# KiCad board PC110.kicad_pcb (continued)
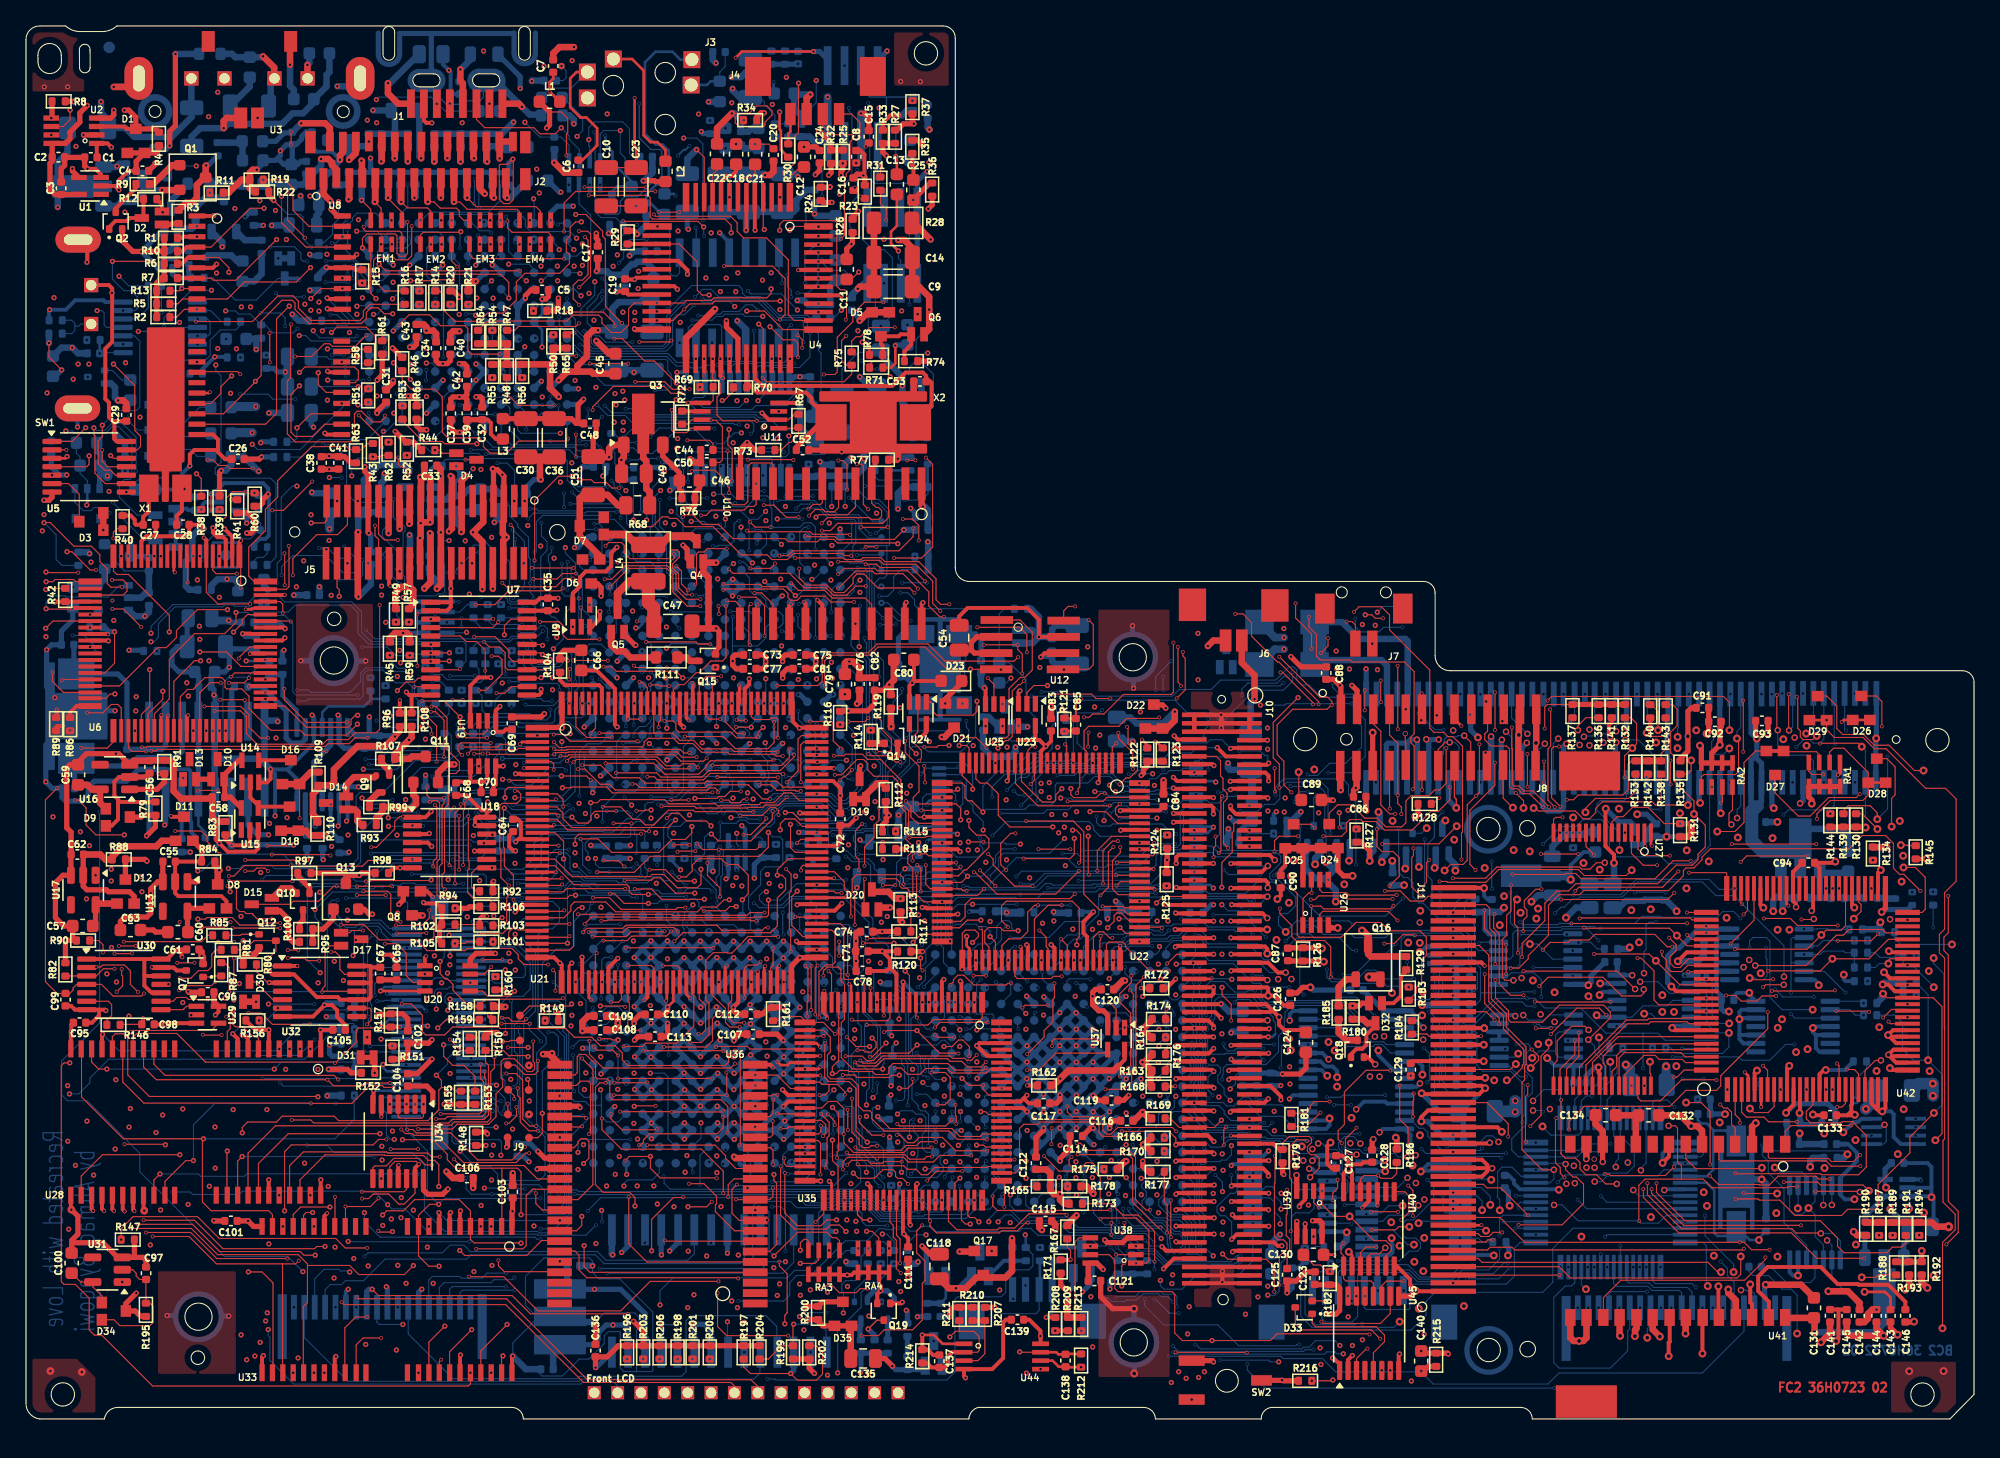
[diagram p0: board, top side]
## Placement (name value [footprint] x y rotation side) (continued)
D46  N  [SOT-416L]  10.47 78.11 270 bottom
D47  24  [D_0603_1608Metric]  4.67 75.23 0 bottom
D48  A2  [D_0603_1608Metric]  15.02 74.18 180 bottom
D49  N  [SOT-416L]  10.47 76.16 270 bottom
D50  26  [D_0603_1608Metric]  15.02 75.95 180 bottom
D51  C6  [D_0603_1608Metric]  15.02 77.97 180 bottom
D52  K  [SOT-416]  109.09 44.49 90 bottom
D53  K  [SOT-416]  106.8 44.48 90 bottom
D54  K  [SOT-416]  104.28 45.06 90 bottom
D55  s.3 5F  [Diode]  97.11 58.09 0 bottom
D56  K  [SOT-416]  101.47 45.06 90 bottom
D57  K  [SOT-416]  99.19 45.06 90 bottom
D58  K  [SOT-416L]  75.34 54.11 180 bottom
D59  3D  [SOT-416L]  92.4 58.69 180 bottom
D60  3D  [SOT-23#2]  33.42 47.57 0 bottom
EM1  -  [R-array]  27.73 91.37 0 top
EM2  -  [R-array]  31.56 91.37 0 top
EM3  -  [R-array]  35.34 91.37 0 top
EM4  -  [R-array]  39.19 91.37 0 top
EM5  -  [R-array]  43.05 95.96 180 bottom
F1  0.5A  [Fuse_1206_3216Metric]  94.33 51.42 90 bottom
F2  1.0A  [Fuse_1206_3216Metric]  143.86 25.31 180 bottom
F3  0.5A  [Fuse_1206_3216Metric]  124.98 25.75 180 bottom
F4  0.5A  [Fuse_1206_3216Metric]  111.74 23.71 180 bottom
G1  LOGO  [logo]  10.46 21.13 180 bottom
J1  -  [PS2]  33.1 103.46 0 top
J2  -  [LCD_connector]  30.31 96.89 0 top
J3  -  [Audio-Jack]  47.34 101.8 0 top
J4  -  [connector-4]  60.78 102.26 0 top
J5  -  [PSU_Connector]  30.96 68.34 0 top
J6  -  [BridgeBatt]  93 61.19 0 top
J7  -  [SPKR]  103.05 61.95 0 top
J8  -  [Modem-Connector]  108.83 52.54 0 top
J9  -  [Debug-10]  37.97 26.27 0 top
J10  -  [PCMCIA]  92.24 32.31 270 top
J11  -  [CF-card]  115.14 26.49 270 top
J12  -  [Debug-6]  65.84 66.04 180 bottom
J13  -  [Docking Port]  123.33 52.66 180 bottom
J14  -  [TestPoint_Pad_D1.5mm]  66.12 51.36 180 bottom
J15  -  [RAM Module]  31.84 30.39 180 bottom
J16  -  [Flat-20]  127.13 7.27 180 bottom
J17  -  [Flat-8]  102.49 8.21 180 bottom
J18  -  [Flat-4]  77.49 7.23 180 bottom
J19  -  [Flat-18]  27.24 7.01 180 bottom
L1  1.5uH  [L_0603_1608Metric]  40.33 101.51 0 top
L2  1.5uH  [L_0603_1608Metric]  49.26 96.14 90 top
L3  1.5uH  [L_0603_1608Metric]  36.73 76.3 90 top
L4  68uH  [L_1210_3225Metric]  47.94 65.96 90 top
L5  1.5uH  [L_0603_1608Metric]  49.18 93.62 90 bottom
L6  1.5uH  [L_0603_1608Metric]  48.33 87.1 90 bottom
L7  1.5uH  [L_0603_1608Metric]  53.44 102.3 90 bottom
L8  1.5uH  [L_0603_1608Metric]  46.65 94.2 90 bottom
L9  300nH  [L_0805_2012Metric]  21.33 92.02 180 bottom
L10  300nH  [L_0805_2012Metric]  29.2 100.84 180 bottom
L11  1.5uH  [L_0603_1608Metric]  37.88 98.01 180 bottom
L12  300nH  [L_0805_2012Metric]  35.29 105.17 180 bottom
L13  1.5uH  [L_0603_1608Metric]  40.51 101.81 180 bottom
L14  1.5uH  [L_0603_1608Metric]  17.44 98.46 180 bottom
L15  1.5uH  [L_0603_1608Metric]  17.47 95.2 180 bottom
L16  1.5uH  [L_0603_1608Metric]  24.03 98.55 180 bottom
L17  1.5uH  [L_0603_1608Metric]  39.41 95.43 180 bottom
L18  1.5uH  [L_0603_1608Metric]  35.69 100.79 180 bottom
Q1  IS6  [SOT-23]  12.84 95.67 0 top
Q2  8C  [SOT-416]  6.91 92.35 90 top
Q3  582 B74  [SOT-89-3]  47.55 77.01 90 top
Q4  YQ  [SOT-416L]  51.72 66.84 0 top
Q5  HQ  [SOT-416L]  45.62 61.4 0 top
Q6  ST3  [SOT-416L]  68.73 84.34 0 top
Q7  8C  [SOT-416]  12.99 34.56 180 top
Q8  6D  [3D]  29.69 39.94 180 top
Q9  8C  [SOT-523]  27.47 48.93 270 top
Q10  8C  [SOT-416]  21.34 39.87 270 top
Q11  IS6  [SOT-23]  30.79 50.05 90 top
Q12  8C  [SOT-416]  18.6 36.85 0 top
Q13  IS6  [SOT-23]  24.64 40.28 90 top
Q14  8C  [SOT-416]  66.64 52.71 90 top
Q15  8B  [SOT-416]  52.46 58.42 180 top
Q16  IS6  [TSOT-23]  103.38 35.19 90 top
Q17  6D  [3D]  73.68 12.22 180 top
Q18  8C  [SOT-416]  102.56 28.53 90 top
Q19  8B  [SOT-416]  66.07 8.26 270 top
Q20  7C  [TSOT-23]  15.25 92.82 90 bottom
Q21  8B  [SOT-416]  13.18 89.5 0 bottom
Q22  YQ  [SOT-416L]  11.12 92.48 180 bottom
Q23  8B  [SOT-416]  10.78 89.37 90 bottom
Q24  6D  [SOT-23]  9.91 96.82 90 bottom
Q25  BH RT  [SOT-89-3]  4.03 94.98 180 bottom
Q26  8C  [SOT-416]  68.8 73.6 0 bottom
Q27  8C  [SOT-416]  18.08 67.84 90 bottom
Q28  8LR  [SOT-416]  38.14 70.63 270 bottom
Q29  DNP  [SOT-23]  7.06 66.46 0 bottom
Q30  8C  [SOT-416]  5.41 80.3 180 bottom
Q31  6D  [SOT-23]  17.33 63.78 180 bottom
Q32  8B  [SOT-416]  144.64 40.1 180 bottom
Q33  BH RT  [SOT-89-3]  136.67 44.29 90 bottom
Q34  BH RT  [SOT-89-3]  115.61 41.86 180 bottom
Q35  8C  [SOT-523]  60.62 43.69 270 bottom
Q36  7C  [TSOT-23]  64.96 43.16 90 bottom
Q37  BH RT  [SOT-89-3]  143.14 10.48 270 bottom
Q38  8C  [SOT-416]  100.48 12.64 270 bottom
Q39  HQ  [TSOT-23#2]  81.32 12.14 180 bottom
Q40  HQ  [TSOT-23#2]  73.48 11.9 180 bottom
Q41  CQ  [TSOT-23#2]  70.2 11.92 180 bottom
Q42  CQ  [TSOT-23#2]  69.92 5 180 bottom
Q43  8B  [SOT-523]  66.38 8.38 270 bottom
Q44  8B  [SOT-523]  64.31 8.38 270 bottom
R1  470k  [R_0402_1005Metric]  11.16 91.02 0 top
R2  470k  [R_0402_1005Metric]  10.58 84.91 0 top
R3  131k  [R_0402_1005Metric]  11.76 92.64 90 top
R4  4.7k  [R_0402_1005Metric]  10.24 98.65 90 top
R5  470k  [R_0402_1005Metric]  10.58 85.94 0 top
R6  470k  [R_0402_1005Metric]  11.16 89.03 0 top
R7  470k  [R_0402_1005Metric]  11.16 87.92 0 top
R8  300  [R_0402_1005Metric]  2.52 101.54 0 top
R9  4.7k  [R_0402_1005Metric]  8.98 95.16 0 top
R10  470k  [R_0402_1005Metric]  11.16 89.99 0 top
R11  470k  [R_0402_1005Metric]  14.68 94.5 0 top
R12  182k  [R_0402_1005Metric]  9.57 94 0 top
R13  470k  [R_0402_1005Metric]  10.58 86.94 0 top
R14  10  [R_0402_1005Metric]  31.53 86.41 90 top
R15  470k  [R_0402_1005Metric]  25.9 88.05 90 top
R16  0  [R_0402_1005Metric]  29.17 86.41 90 top
R17  10  [R_0402_1005Metric]  30.31 86.41 90 top
R18  470k  [R_0402_1005Metric]  39.6 85.39 0 top
R19  470k  [R_0402_1005Metric]  17.76 95.5 0 top
R20  10  [R_0402_1005Metric]  32.7 86.41 90 top
R21  0  [R_0402_1005Metric]  34.08 86.41 90 top
R22  470k  [R_0402_1005Metric]  18.19 94.59 0 top
R23  0  [R_0402_1005Metric]  64.61 94.58 90 top
R24  4.7k  [R_0402_1005Metric]  61.22 94.41 90 top
R25  1k  [R_0402_1005Metric]  62.91 97.27 90 top
R26  2.2k  [R_0402_1005Metric]  63.67 91.94 90 top
R27  470k  [R_0402_1005Metric]  66.93 98.81 90 top
R28  56  [R_1206_3216Metric]  66.78 92.17 0 top
R29  1k  [R_0402_1005Metric]  46.34 91.06 90 top
R30  0  [R_0402_1005Metric]  58.71 97.75 90 top
R31  300  [R_0402_1005Metric]  65.81 95.2 90 top
R32  2.2k  [R_0402_1005Metric]  62.01 97.27 90 top
R33  470k  [R_0402_1005Metric]  66 98.81 90 top
R34  1k  [R_0402_1005Metric]  55.78 100.09 0 top
R35  100k  [R_0402_1005Metric]  68.27 98.04 90 top
R36  10k  [R_0402_1005Metric]  69.8 94.74 90 top
R37  100k  [R_0402_1005Metric]  68.28 101.09 90 top
R38  4.7k  [R_0402_1005Metric]  13.5 70.6 90 top
R39  47k  [R_0402_1005Metric]  14.91 70.6 90 top
R40  47k  [R_0402_1005Metric]  7.44 69.11 90 top
R41  10k  [R_0402_1005Metric]  16.27 70.33 90 top
R42  4.7k  [R_0402_1005Metric]  3.02 63.5 270 top
R43  68k  [R_0402_1005Metric]  26.72 74.66 90 top
R44  100k  [R_0402_1005Metric]  30.99 74.66 0 top
R45  100k  [R_0402_1005Metric]  28.03 59.36 90 top
R46  33  [R_0402_1005Metric]  28.98 81.29 90 top
R47  DNP  [R_0402_1005Metric]  37.06 83.38 90 top  (not fitted)
R48  DNP  [R_0402_1005Metric]  37.04 80.76 90 top  (not fitted)
R49  100k  [R_0402_1005Metric]  28.5 61.92 90 top
R50  DNP  [R_0402_1005Metric]  40.62 83.04 90 top  (not fitted)
R51  0  [R_0402_1005Metric]  26.36 78.88 90 top
R52  120k  [R_0402_1005Metric]  29.34 74.77 90 top
R53  33  [R_0402_1005Metric]  29 77.56 90 top
R54  DNP  [R_0402_1005Metric]  35.92 83.38 90 top  (not fitted)
R55  DNP  [R_0402_1005Metric]  35.91 80.76 90 top  (not fitted)
R56  DNP  [R_0402_1005Metric]  38.22 80.76 90 top  (not fitted)
R57  100k  [R_0402_1005Metric]  29.5 61.92 90 top
R58  0  [R_0402_1005Metric]  26.35 81.91 90 top
R59  100k  [R_0402_1005Metric]  29.56 59.36 90 top
R60  50k  [R_0402_1005Metric]  17.61 70.85 90 top
R61  470k  [R_0402_1005Metric]  27.44 82.58 90 top
R62  68k  [R_0402_1005Metric]  27.93 74.77 90 top
R63  68k  [R_0402_1005Metric]  25.42 74.19 90 top
R64  DNP  [R_0402_1005Metric]  34.83 83.38 90 top  (not fitted)
R65  DNP  [R_0402_1005Metric]  41.65 83.04 90 top  (not fitted)
R66  270  [R_0402_1005Metric]  30.09 77.56 90 top
R67  0  [R_0402_1005Metric]  59.5 76.91 90 top
R68  56  [R_0805_2012Metric]  47.12 70.41 0 top
R69  2.2k  [R_0402_1005Metric]  52.42 79.52 0 top
R70  DNP  [R_0402_1005Metric]  55.01 79.5 0 top
R71  10k  [R_0402_1005Metric]  65.49 81.02 0 top
R72  0  [R_0402_1005Metric]  50.54 77.17 90 top
R73  2.2k  [R_0402_1005Metric]  57.18 74.67 0 top
R74  10k  [R_0402_1005Metric]  68.17 81.52 0 top
R75  0  [R_0402_1005Metric]  63.6 81.72 90 top
R76  1k  [R_0402_1005Metric]  51.02 70.96 0 top
R77  470k  [R_0402_1005Metric]  65.93 73.92 0 top
R78  10k  [R_0402_1005Metric]  65.48 82.01 0 top
R79  0  [R_0402_1005Metric]  9.97 47.04 90 top
R80  470k  [R_0402_1005Metric]  17.24 35.02 0 top
R81  100k  [R_0402_1005Metric]  15.54 36.15 0 top
R82  470k  [R_0402_1005Metric]  3.04 34.64 90 top
R83  470k  [R_0402_1005Metric]  15.37 45.53 90 top
R84  0  [R_0402_1005Metric]  14.04 42.96 0 top
R85  47k  [R_0402_1005Metric]  14.89 37.27 0 top
R86  4.7k  [R_0402_1005Metric]  3.4 53.54 90 top
R87  100k  [R_0402_1005Metric]  15.04 34.65 90 top
R88  0  [R_0402_1005Metric]  7.15 43.12 0 top
R89  4.7k  [R_0402_1005Metric]  2.32 53.55 90 top
R90  470k  [R_0402_1005Metric]  4.4 36.87 0 top
R91  470k  [R_0402_1005Metric]  10.65 50.25 90 top
R92  47  [R_0402_1005Metric]  35.46 40.67 0 top
R93  47k  [R_0402_1005Metric]  26.47 45.77 0 top
R94  470k  [R_0402_1005Metric]  32.54 39.35 0 top
R95  47k  [R_0402_1005Metric]  21.58 36.76 0 top
R96  47k  [R_0402_1005Metric]  28.8 53.88 90 top
R97  10k  [R_0402_1005Metric]  21.44 42.07 0 top
R98  4.7k  [R_0402_1005Metric]  27.41 42.07 0 top
R99  470  [R_0402_1005Metric]  26.97 47.15 0 top
R100  220  [R_0402_1005Metric]  21.58 37.75 0 top
R101  33  [R_0402_1005Metric]  35.46 36.78 0 top
R102  470k  [R_0402_1005Metric]  32.54 38.1 0 top
R103  33  [R_0402_1005Metric]  35.46 38.03 0 top
R104  47k  [R_0402_1005Metric]  41.14 58.05 90 top
R105  470k  [R_0402_1005Metric]  32.54 36.65 0 top
R106  33  [R_0402_1005Metric]  35.46 39.47 0 top
R107  33k  [R_0402_1005Metric]  27.89 50.87 0 top
R108  4.7k  [R_0402_1005Metric]  29.7 53.89 90 top
R109  10k  [R_0402_1005Metric]  22.54 49.34 90 top
R110  10k  [R_0402_1005Metric]  22.45 45.48 90 top
R111  100  [R_0603_1608Metric]  49.35 58.68 0 top
R112  47k  [R_0402_1005Metric]  66.23 48.09 90 top
R113  470k  [R_0402_1005Metric]  67.36 39.59 90 top
R114  47k  [R_0402_1005Metric]  65.07 52.57 90 top
R115  10k  [R_0402_1005Metric]  66.48 45.28 0 top
R116  100k  [R_0402_1005Metric]  62.71 54.02 90 top
R117  47k  [R_0402_1005Metric]  67.65 37.57 0 top
R118  100k  [R_0402_1005Metric]  66.48 43.92 0 top
R119  470k  [R_0402_1005Metric]  66.62 55.29 90 top
R120  100k  [R_0402_1005Metric]  67.65 36.02 0 top
R121  100k  [R_0402_1005Metric]  79.98 53.5 90 top
R122  470k  [R_0402_1005Metric]  86.37 51.2 90 top
R123  470k  [R_0402_1005Metric]  87.56 51.2 90 top
R124  470k  [R_0402_1005Metric]  87.9 44.49 90 top
R125  470k  [R_0402_1005Metric]  87.86 41.59 90 top
R126  470k  [R_0402_1005Metric]  98.37 35.8 90 top
R127  470k  [R_0402_1005Metric]  102.49 44.96 270 top
R128  470k  [R_0402_1005Metric]  107.73 47.4 0 top
R129  133k  [R_0402_1005Metric]  106.31 35.13 90 top
R130  470k  [R_0402_1005Metric]  140.96 46.13 90 top
R131  DNP  [R_0402_1005Metric]  127.41 45.37 90 top  (not fitted)
R132  2k  [R_0402_1005Metric]  123.15 54.55 90 top
R133  2k  [R_0402_1005Metric]  123.97 50.2 90 top
R134  10k  [R_0402_1005Metric]  142.26 43.57 90 top
R135  470k  [R_0402_1005Metric]  127.44 50.2 90 top
R136  1k  [R_0402_1005Metric]  121.14 54.55 90 top
R137  2k  [R_0402_1005Metric]  119.12 54.55 90 top
R138  1k  [R_0402_1005Metric]  125.95 50.2 90 top
R139  470k  [R_0402_1005Metric]  139.99 46.13 90 top
R140  1k  [R_0402_1005Metric]  125.11 54.54 90 top
R141  1k  [R_0402_1005Metric]  122.15 54.55 90 top
R142  1k  [R_0402_1005Metric]  124.94 50.2 90 top
R143  10k  [R_0402_1005Metric]  126.3 54.54 90 top
R144  470k  [R_0402_1005Metric]  138.98 46.13 90 top
R145  DNP  [R_0402_1005Metric]  145.56 43.67 90 top
R146  470k  [R_0402_1005Metric]  6.74 30.37 0 top
R147  470k  [R_0402_1005Metric]  7.84 13.82 0 top
R148  470k  [R_0402_1005Metric]  34.67 21.59 90 top
R149  33  [R_0402_1005Metric]  40.5 30.7 0 top
R150  100k  [R_0402_1005Metric]  35.4 28.91 90 top
R151  100k  [R_0402_1005Metric]  28.23 28.23 90 top
R152  470k  [R_0402_1005Metric]  26.35 26.67 0 top
R153  100k  [R_0402_1005Metric]  34.59 24.75 90 top
R154  33  [R_0402_1005Metric]  34.18 28.91 90 top
R155  100k  [R_0402_1005Metric]  33.51 24.75 90 top
R156  470k  [R_0402_1005Metric]  17.45 30.71 0 top
R157  100k  [R_0402_1005Metric]  28.11 30.71 90 top
R158  470k  [R_0402_1005Metric]  35.49 31.81 0 top
R159  33  [R_0402_1005Metric]  35.44 30.76 0 top
R160  470k  [R_0402_1005Metric]  36.16 33.58 90 top
R161  470k  [R_0402_1005Metric]  57.54 31.2 90 top
R162  470k  [R_0402_1005Metric]  78.42 25.7 0 top
R163  10k  [R_0402_1005Metric]  87.24 26.84 0 top
R164  10k  [R_0402_1005Metric]  87.26 29.4 0 top
R165  47k  [R_0402_1005Metric]  78.39 17.92 0 top
R166  10k  [R_0402_1005Metric]  87.17 21.67 0 top
R167  100k  [R_0402_1005Metric]  80.21 14.38 90 top
R168  10k  [R_0402_1005Metric]  87.23 25.61 0 top
R169  10k  [R_0402_1005Metric]  87.23 23.16 0 top
R170  10k  [R_0402_1005Metric]  87.17 20.64 0 top
R171  47k  [R_0402_1005Metric]  79.7 11.75 90 top
R172  10k  [R_0402_1005Metric]  87.07 33.19 0 top
R173  470k  [R_0402_1005Metric]  80.86 16.59 0 top
R174  10k  [R_0402_1005Metric]  87.26 30.82 0 top
R175  10k  [R_0402_1005Metric]  83.55 19.25 0 top
R176  10k  [R_0402_1005Metric]  87.26 28.1 0 top
R177  47k  [R_0402_1005Metric]  87.17 19.04 0 top
R178  10k  [R_0402_1005Metric]  80.75 17.92 0 top
R179  10k  [R_0402_1005Metric]  96.79 20.25 90 top
R180  180k  [R_0402_1005Metric]  102.18 31.32 90 top
R181  10k  [R_0402_1005Metric]  97.47 23.05 90 top
R182  470k  [R_0402_1005Metric]  100.43 10.85 90 top
R183  470k  [R_0402_1005Metric]  106.51 32.77 90 top
R184  DNP  [R_0402_1005Metric]  106.75 30.17 90 top  (not fitted)
R185  4.7k  [R_0402_1005Metric]  101.11 31.31 90 top
R186  470k  [R_0402_1005Metric]  105.58 20.28 90 top
R187  470k  [R_0402_1005Metric]  142.74 14.65 90 top
R188  10k  [R_0402_1005Metric]  144.05 11.61 90 top
R189  470k  [R_0402_1005Metric]  143.78 14.65 90 top
R190  470k  [R_0402_1005Metric]  141.74 14.65 90 top
R191  470k  [R_0402_1005Metric]  144.79 14.65 90 top
R192  10k  [R_0402_1005Metric]  146.02 11.61 90 top
R193  10k  [R_0402_1005Metric]  145.05 11.61 90 top
R194  470k  [R_0402_1005Metric]  145.83 14.65 90 top
R195  0  [R_0402_1005Metric]  9.24 8.41 90 top
R196  47k  [R_0402_1005Metric]  46.3 5.13 90 top
R197  47k  [R_0402_1005Metric]  55.28 5.13 90 top
R198  10k  [R_0402_1005Metric]  50.19 5.13 90 top
R199  DNP  [R_0402_1005Metric]  59.08 5.13 90 top  (not fitted)
R200  47k  [R_0402_1005Metric]  61.01 8.17 90 top
R201  100k  [R_0402_1005Metric]  51.34 5.13 90 top
R202  DNP  [R_0402_1005Metric]  60.33 5.13 90 top  (not fitted)
R203  10k  [R_0402_1005Metric]  47.54 5.13 90 top
R204  47k  [R_0402_1005Metric]  56.5 5.13 90 top
R205  100k  [R_0402_1005Metric]  52.67 5.13 90 top
R206  47k  [R_0402_1005Metric]  48.8 5.13 90 top
R207  120k  [R_0402_1005Metric]  73.86 8.09 90 top
R208  120k  [R_0402_1005Metric]  79.28 7.31 90 top
R209  100k  [R_0402_1005Metric]  80.26 7.31 90 top
R210  100K  [R_0402_1005Metric]  72.91 8.09 90 top
R211  120k  [R_0402_1005Metric]  71.89 8.09 90 top
R212  100k  [R_0402_1005Metric]  81.27 4.5 90 top
R213  120k  [R_0402_1005Metric]  81.28 7.31 90 top
R214  100k  [R_0402_1005Metric]  69.04 4.83 90 top
R215  470k  [R_0402_1005Metric]  108.62 4.56 90 top
R216  470k  [R_0402_1005Metric]  98.53 2.94 0 top
R217  470k  [R_0402_1005Metric]  69.46 100.76 90 bottom
R218  470k  [R_0402_1005Metric]  68.34 101.36 90 bottom
R219  100k  [R_0402_1005Metric]  60.87 85.37 270 bottom
R220  10k  [R_0402_1005Metric]  57.42 104.91 90 bottom
R221  0  [R_0402_1005Metric]  52.69 99.56 90 bottom
R222  6.8k  [R_0402_1005Metric]  58.71 99.3 90 bottom
R223  100k  [R_0402_1005Metric]  61.95 85.37 90 bottom
R224  470k  [R_0402_1005Metric]  55.08 98.69 90 bottom
R225  6.8k  [R_0402_1005Metric]  57.68 99.3 90 bottom
R226  120  [R_1206_3216Metric]  58.25 94.48 90 bottom
R227  10k  [R_0402_1005Metric]  58.47 104.91 90 bottom
R228  470k  [R_0402_1005Metric]  45.47 92.02 0 bottom
R229  470k  [R_0402_1005Metric]  22.55 90.16 270 bottom
R230  0  [R_0805_2012Metric]  31.21 105.17 180 bottom
R231  0  [R_0603_1608Metric]  40.51 100.45 180 bottom
R232  10k  [R_0402_1005Metric]  18.15 90.33 270 bottom
R233  470k  [R_0402_1005Metric]  17.55 92.49 270 bottom
R234  100k  [R_0402_1005Metric]  23.88 95.58 90 bottom
R235  470k  [R_0402_1005Metric]  9.93 87.32 180 bottom
R236  470  [R_0402_1005Metric]  14.76 97.85 90 bottom
R237  10k  [R_0402_1005Metric]  13.21 87.94 180 bottom
R238  56  [R_0603_1608Metric]  14.16 105.2 180 bottom
R239  56  [R_0603_1608Metric]  13.28 95.2 180 bottom
R240  47k  [R_0402_1005Metric]  13.06 92.89 270 bottom
R241  8.2  [R_1206_3216Metric_Pad1.30x1.75mm_HandSolder]  4.75 99.49 180 bottom
R242  7.5k  [R_0402_1005Metric]  7.72 96.22 270 bottom
R243  470k  [R_0402_1005Metric]  68.82 76.64 180 bottom
R244  470k  [R_0402_1005Metric]  68.98 68.52 180 bottom
R245  470k  [R_0402_1005Metric]  68.82 75.66 180 bottom
R246  47k  [R_0402_1005Metric]  68.98 66.45 180 bottom
R247  470k  [R_0402_1005Metric]  76.64 62.43 0 bottom
R248  470k  [R_0402_1005Metric]  68.97 71.82 180 bottom
R249  47k  [R_0402_1005Metric]  68.98 65.47 180 bottom
R250  0  [R_0805_2012Metric]  60.77 76.35 270 bottom
R251  33  [R_0402_1005Metric]  62.58 73.53 180 bottom
R252  33  [R_0402_1005Metric]  47.32 72.36 180 bottom
R253  DNP  [R_0402_1005Metric]  45.09 75.43 90 bottom
R254  47k  [R_0402_1005Metric]  65.9 73.12 180 bottom
R255  33  [R_0402_1005Metric]  47.32 73.33 180 bottom
R256  100  [R_0805_2012Metric]  65.85 83.3 270 bottom
R257  33  [R_0402_1005Metric]  62.58 71.87 180 bottom
R258  10k  [R_0402_1005Metric]  49.85 72.87 90 bottom
R259  470k  [R_0402_1005Metric]  22.27 84.63 180 bottom
R260  133k  [R_0402_1005Metric]  32.57 73.44 180 bottom
R261  33  [R_0402_1005Metric]  34.47 62.25 90 bottom
R262  470k  [R_0402_1005Metric]  18.06 65.81 180 bottom
R263  4.7k  [R_0402_1005Metric]  19.59 74.13 180 bottom
R264  150  [R_0805_2012Metric]  21.06 79.56 180 bottom
R265  4.7k  [R_0402_1005Metric]  18.11 83.8 270 bottom
R266  50k  [R_0402_1005Metric]  36.44 70.82 90 bottom
R267  150  [R_0805_2012Metric]  21.06 81.86 180 bottom
R268  100k  [R_0402_1005Metric]  17.93 70.67 90 bottom
R269  470k  [R_0402_1005Metric]  18.52 81.47 270 bottom
R270  4.7k  [R_0402_1005Metric]  19.59 75.3 180 bottom
R271  DNP  [R_0402_1005Metric]  33.05 70.62 90 bottom  (not fitted)
R272  33  [R_0402_1005Metric]  36.59 62.25 90 bottom
R273  150  [R_0805_2012Metric]  21.06 77.53 180 bottom
R274  33  [R_0402_1005Metric]  35.57 62.25 90 bottom
R275  4.7k  [R_0402_1005Metric]  13.76 63.9 180 bottom
R276  33k  [R_0402_1005Metric]  10.26 80.34 180 bottom
R277  200k  [R_0402_1005Metric]  2.28 83.64 180 bottom
R278  470k  [R_0402_1005Metric]  7.63 73.57 90 bottom
R279  4.7k  [R_0402_1005Metric]  16.01 81.8 180 bottom
R280  47k  [R_0402_1005Metric]  2.29 84.67 180 bottom
R281  10k  [R_0402_1005Metric]  1.95 74.86 270 bottom
R282  470k  [R_0402_1005Metric]  5.2 83.15 180 bottom
R283  4.7k  [R_0402_1005Metric]  5.42 61.01 180 bottom
R284  10  [R_0805_2012Metric]  13.41 61.71 180 bottom
R285  0  [R_0402_1005Metric]  9.47 65.86 90 bottom
R286  22k  [R_0402_1005Metric]  16.01 84.56 180 bottom
R287  470k  [R_0402_1005Metric]  13.02 70.54 90 bottom
R288  47k  [R_0402_1005Metric]  4.04 66.29 270 bottom
R289  10k  [R_0402_1005Metric]  146.9 40.11 90 bottom
R290  DNP  [R_0402_1005Metric]  145.09 35.71 180 bottom
R291  220  [R_0402_1005Metric]  142.09 40.15 180 bottom
R292  DNP  [R_0805_2012Metric]  122.21 40.31 90 bottom
R293  22k  [R_0402_1005Metric]  136.93 40.15 180 bottom
R294  1.2k  [R_0402_1005Metric]  119.16 44.53 90 bottom
R295  0  [R_0402_1005Metric]  140.94 37.73 180 bottom
R296  DNP  [R_0402_1005Metric]  141.34 36.87 180 bottom
R297  220  [R_0402_1005Metric]  139.55 40.15 180 bottom
R298  DNP  [R_0402_1005Metric]  141.34 34.79 180 bottom
R299  0  [R_0402_1005Metric]  141.34 35.93 180 bottom
R300  0  [R_0805_2012Metric]  120.43 40.32 90 bottom
R301  DNP  [R_0402_1005Metric]  143.43 37.51 180 bottom
R302  470k  [R_0402_1005Metric]  122.09 36.22 180 bottom
R303  470k  [R_0402_1005Metric]  96.61 46.1 180 bottom
R304  4.7k  [R_0402_1005Metric]  110.68 34.05 180 bottom
R305  470k  [R_0402_1005Metric]  96.61 45.11 180 bottom
R306  470k  [R_0402_1005Metric]  111.64 39.55 90 bottom
R307  470k  [R_0402_1005Metric]  74.17 39.12 180 bottom
R308  10  [R_0402_1005Metric]  73.72 53.59 90 bottom
R309  470k  [R_0402_1005Metric]  83.8 39.21 180 bottom
R310  100k  [R_0402_1005Metric]  80.12 53.31 90 bottom
R311  470k  [R_0402_1005Metric]  86.22 39.08 180 bottom
R312  47k  [R_0402_1005Metric]  90.16 39 180 bottom
R313  300  [R_0805_2012Metric]  84.03 53.16 90 bottom
R314  470k  [R_0402_1005Metric]  68.76 42.91 90 bottom
R315  470k  [R_0402_1005Metric]  77.13 39.04 180 bottom
R316  1k  [R_0402_1005Metric]  56.71 43.77 90 bottom
R317  33  [R_0402_1005Metric]  49.72 43.7 90 bottom
R318  33  [R_0402_1005Metric]  50.72 43.7 90 bottom
R319  1k  [R_0402_1005Metric]  52.76 43.7 90 bottom
R320  10k  [R_0402_1005Metric]  62.42 43.68 90 bottom
R321  100k  [R_0402_1005Metric]  58.81 43.77 90 bottom
R322  33  [R_0402_1005Metric]  47.66 43.7 90 bottom
R323  1k  [R_0402_1005Metric]  57.77 43.77 90 bottom
R324  33  [R_0402_1005Metric]  48.6 43.7 90 bottom
R325  10k  [R_0402_1005Metric]  66.42 34.05 90 bottom
R326  33  [R_0402_1005Metric]  51.77 43.7 270 bottom
R327  470k  [R_0402_1005Metric]  67.21 45.23 90 bottom
R328  4.7k  [R_0402_1005Metric]  32.58 55.65 90 bottom
R329  33  [R_0402_1005Metric]  35.63 55.65 90 bottom
R330  4.7k  [R_0402_1005Metric]  30.77 58.43 90 bottom
R331  4.7k  [R_0402_1005Metric]  32.23 52.32 90 bottom
R332  33  [R_0402_1005Metric]  19.75 57.89 90 bottom
R333  33  [R_0402_1005Metric]  34.63 55.65 90 bottom
R334  33  [R_0402_1005Metric]  35.39 58.7 90 bottom
R335  33  [R_0402_1005Metric]  34.47 58.7 90 bottom
R336  4.7k  [R_0402_1005Metric]  30.45 55.65 90 bottom
R337  33  [R_0402_1005Metric]  36.38 58.7 90 bottom
R338  33  [R_0402_1005Metric]  35.45 52.32 90 bottom
R339  4.7k  [R_0402_1005Metric]  31.55 55.65 90 bottom
R340  33  [R_0402_1005Metric]  18.75 57.89 90 bottom
R341  33  [R_0402_1005Metric]  22.85 44.48 90 bottom
R342  33  [R_0402_1005Metric]  37.42 52.32 90 bottom
R343  33  [R_0402_1005Metric]  37.41 55.65 90 bottom
R344  DNP  [R_0402_1005Metric]  26.54 56.61 90 bottom  (not fitted)
R345  33  [R_0402_1005Metric]  34.44 52.32 90 bottom
R346  33  [R_0402_1005Metric]  36.45 52.32 90 bottom
R347  33  [R_0402_1005Metric]  37.41 58.7 90 bottom
R348  33  [R_0402_1005Metric]  21.65 44.48 90 bottom
R349  100k  [R_0402_1005Metric]  30.78 48.22 90 bottom
R350  33  [R_0402_1005Metric]  24.15 44.13 90 bottom
R351  4.7k  [R_0402_1005Metric]  33.39 52.32 90 bottom
R352  33  [R_0402_1005Metric]  33.56 55.65 90 bottom
R353  56  [R_0402_1005Metric]  27.7 56 90 bottom
R354  4.7k  [R_0402_1005Metric]  33.38 58.7 90 bottom
R355  4.7k  [R_0402_1005Metric]  31.82 58.43 90 bottom
R356  47k  [R_0402_1005Metric]  9.57 59.18 180 bottom
R357  33  [R_0402_1005Metric]  16.31 44.25 180 bottom
R358  47  [R_0402_1005Metric]  16.58 56.43 180 bottom
R359  33  [R_0402_1005Metric]  11.99 44.2 270 bottom
R360  470k  [R_0402_1005Metric]  145.09 33.61 180 bottom
R361  470k  [R_0402_1005Metric]  145.09 32.63 180 bottom
R362  2k  [R_0402_1005Metric]  136.13 22.81 180 bottom
R363  100k  [R_0402_1005Metric]  138.99 20.12 180 bottom
R364  DNP  [R_0402_1005Metric]  125.79 28.62 180 bottom
R365  10k  [R_0402_1005Metric]  141.34 33.74 180 bottom
R366  0  [R_0402_1005Metric]  142.05 32.04 180 bottom
R367  0  [R_0402_1005Metric]  142.05 31.12 180 bottom
R368  1.5k  [R_0402_1005Metric]  141.66 14.69 90 bottom
R369  22k  [R_0402_1005Metric]  141.26 27.55 0 bottom
R370  0  [R_0402_1005Metric]  122.49 28.57 180 bottom
R371  2k  [R_0402_1005Metric]  138.82 22.81 180 bottom
R372  100k  [R_0402_1005Metric]  113.49 13.63 180 bottom
R373  4.7k  [R_0402_1005Metric]  110.68 29.84 180 bottom
R374  4.7k  [R_0402_1005Metric]  110.68 28.83 180 bottom
R375  4.7k  [R_0402_1005Metric]  110.68 26.79 180 bottom
R376  4.7k  [R_0402_1005Metric]  110.68 27.82 180 bottom
R377  4.7k  [R_0402_1005Metric]  110.68 31.95 180 bottom
R378  4.7k  [R_0402_1005Metric]  110.68 30.97 180 bottom
R379  470k  [R_0402_1005Metric]  95.88 26.15 270 bottom
R380  4.7k  [R_0402_1005Metric]  110.68 25.72 180 bottom
R381  4.7k  [R_0402_1005Metric]  110.68 32.94 180 bottom
R382  50k  [R_0402_1005Metric]  98.5 12.64 90 bottom
R383  33k  [R_0402_1005Metric]  97.53 11.13 90 bottom
R384  10k  [R_0402_1005Metric]  84.06 11.69 90 bottom
R385  47k  [R_0402_1005Metric]  75.98 12.7 90 bottom
R386  1k  [R_0402_1005Metric]  78.1 12.7 90 bottom
R387  DNP  [R_0402_1005Metric]  85.22 11.69 90 bottom
R388  3K  [R_0402_1005Metric]  79.1 12.7 90 bottom
R389  10k  [R_0402_1005Metric]  86.36 11.69 90 bottom
R390  100k  [R_0402_1005Metric]  77.01 12.7 90 bottom
R391  10k  [R_0402_1005Metric]  67.89 12.47 90 bottom
R392  22k  [R_0402_1005Metric]  65.84 12.47 90 bottom
R393  47k  [R_0402_1005Metric]  66.74 27.46 90 bottom
R394  DNP  [R_0402_1005Metric]  63.81 12.47 90 bottom  (not fitted)
R395  10k  [R_0402_1005Metric]  66.52 31.03 90 bottom
R396  10k  [R_0402_1005Metric]  66.64 17.49 90 bottom
R397  47k  [R_0402_1005Metric]  66.47 23.6 90 bottom
R398  22k  [R_0402_1005Metric]  64.84 12.47 90 bottom
R399  22k  [R_0402_1005Metric]  66.86 12.47 90 bottom
R400  DNP  [R_0402_1005Metric]  24.79 30.98 180 bottom  (not fitted)
R401  100k  [R_0402_1005Metric]  24.79 26.94 180 bottom
R402  DNP  [R_0402_1005Metric]  24.79 27.96 180 bottom  (not fitted)
R403  DNP  [R_0402_1005Metric]  24.79 30.02 180 bottom  (not fitted)
R404  100k  [R_0402_1005Metric]  24.79 32.06 180 bottom
R405  100k  [R_0402_1005Metric]  24.79 24.92 180 bottom
R406  100k  [R_0402_1005Metric]  24.79 28.93 180 bottom
R407  100k  [R_0402_1005Metric]  69.42 8.4 90 bottom
R408  47k  [R_0402_1005Metric]  70.45 8.4 90 bottom
R409  2.2k  [R_0402_1005Metric]  64.31 5.58 90 bottom
R410  20k  [R_0402_1005Metric]  65.36 5.58 90 bottom
R411  47k  [R_0402_1005Metric]  67.89 4.31 90 bottom
R412  7.5k  [R_0402_1005Metric]  66.37 5.58 90 bottom
R413  100k  [R_0402_1005Metric]  67.89 6.87 90 bottom
RA1  47k  [R-array]  138.5 49.59 0 top
RA2  10k  [R-array]  130.22 49.55 0 top
RA3  22k  [R-array]  61.44 11.99 0 top
RA4  10k  [R-array]  65.26 12.14 0 top
RA5  470k  [R-array]  31.43 61.76 90 bottom
SW1  -  [Switch]  4.07 84.13 0 top
SW2  -  [LidSwitch]  92.59 2.97 0 top
U1  EA  [SOT-353]  4.93 95.02 180 top
U2  7W32  [sso-8]  3.7 99.25 180 top
U3  HSDL-1000 X03  [IRDA]  17.19 101.76 0 top
U4  ES488F  [QFN-52]  55.24 87.9 0 top
U5  74HC14  [TSSOP-14_4.4x5mm_P0.65mm]  4.87 73.38 0 top
U6  M38223E4HP  [QFN-80]  11.89 59.74 0 top
U7  HD151015  [TSSOP-24_6.1x7.8mm_P0.65mm]  34.89 59.36 0 top
U8  51W4260ATT7  [GRAMchip]  18.62 84.31 90 top
U9  E4  [SOT-353]  42.77 61.9 90 top
U10  YM3812  [SOP-24]  62.29 67.33 0 top
U11  NJM2904M  [soic-8-small]  55.03 77.3 180 top
U12  LM4861  [SOIC-8-narrow]  77.58 59.77 0 top
U13  8C01  [SOT-23-5]  11.49 40.26 270 top
U14  EA  [SOT-353]  17.28 49.91 90 top
U15  EA  [SOT-353]  17.24 46.23 90 top
U16  8C01  [SOT-23-5]  6.85 49.47 180 top
U17  3E00  [SOT-23-5]  4.41 40.76 270 top
U18  VT74  [TSSOP-14_4.4x5mm_P0.65mm]  32.63 44.42 0 top
U19  7W126  [sso-8]  35.23 52.05 270 top
U20  7W14  [sso-8]  32.47 33.98 0 top
U21  -  [Bowman]  50.36 44.92 0 top
U22  FDC37C665IR  [FDC]  78.47 43.4 0 top
U23  EA  [SOT-353]  77.1 54.26 270 top
U24  E4  [SOT-353]  68.7 54.41 270 top
U25  E4  [SOT-353]  74.56 54.24 270 top
U26  7W126  [sso-8]  99.31 39.81 90 top
U27  AT29LV512-12TU  [Flash-32]  121.01 35.18 270 top
U28  M5M4V16160BTP  [RAMchip]  13.48 23.04 0 top
U29  E2  [SOT-353]  13.98 31.15 0 top
U30  74LVT74  [TSSOP-14_4.4x5mm_P0.65mm]  7.54 33.49 0 top
U31  3F01  [SOT-23-5]  6.28 11.5 180 top
U32  V74  [TSSOP-14_4.4x5mm_P0.65mm]  22.62 32.96 0 top
U33  M5M4V16160BTP  [RAMchip]  28.21 9.36 0 top
U34  74LV126  [TSSOP-14_4.4x5mm_P0.65mm]  28.67 21.39 270 top
U35  -  [Pluto]  67.55 24.96 0 top
U36  MSM538032E  [SOP48]  48.87 18.45 0 top
U37  E8  [SOT-353]  83.97 29.31 270 top
U38  7W14  [sso-8]  83.73 12.96 180 top
U39  7W00  [sso-8]  98.88 15.81 270 top
U40  SN74LS74a  [TSSOP-14_4.4x5mm_P0.65mm]  103.44 14.65 90 top
U41  SDLB-4  [SanDisk]  127.85 14.8 0 top
U42  SC414281PU4  [QFN-100]  137.65 32.96 0 top
U43  Front LCD  [LCD]  55.67 2.02 0 top
U44  NJM2904M  [soic-8-small]  75.2 4.84 0 top
U45  SN74LS123A  [TSSOP-16_4.4x5mm_P0.65mm]  103.46 6.6 90 top
U46  Y3014  [SOP-16]  54.8 86.43 270 bottom
U47  3414A  [SOIC-8]  63.7 101.34 270 bottom
U48  DS1669  [SOIC-8]  66.75 90.42 270 bottom
U49  HD151015  [SSOP-24_5.3x8.2mm_P0.65mm]  55.22 76.33 90 bottom
U50  3T01  [SOT-23-5]  30.35 70.86 180 bottom
U51  CHIPS65535  [BGA-169]  34.06 84.53 180 bottom
U52  EA  [SOT-353]  15.51 70.66 0 bottom
U53  3F01  [TSOP-5_1.65x3.05mm_P0.95mm]  6.73 63.29 180 bottom
U54  SN74HC74  [TSSOP-14_4.4x5mm_P0.65mm]  10.35 84.12 0 bottom
U55  3T01  [TSOP-5_1.65x3.05mm_P0.95mm]  4.72 70.54 270 bottom
U56  SN74LV32  [TSSOP-14_4.4x5mm_P0.65mm]  134.1 35.8 180 bottom
U57  SN74LVT125  [TSSOP-14_4.4x5mm_P0.65mm]  116.28 35.44 180 bottom
U58  EA  [SOT-353]  109.37 35.74 0 bottom
U59  28F002BX  [Flash-40]  80.13 46.05 180 bottom
U60  E3  [SOT-353]  54.75 43.69 90 bottom
U61  VL82C420  [BGA-256]  53.2 58.44 180 bottom
U62  SN74LVT125  [TSSOP-14_4.4x5mm_P0.65mm]  22.82 50.43 90 bottom
U63  AV9154A-27  [SOIC-16W]  13.93 50.92 270 bottom
U64  SN74LV126  [TSSOP-14_4.4x5mm_P0.65mm]  137.8 15.12 270 bottom
U65  E4  [SOT-353]  144.05 17.81 180 bottom
U66  SN74LV02  [TSSOP-14_4.4x5mm_P0.65mm]  125.41 32.26 180 bottom
U67  M38813M4  [QFN64]  121.8 17.2 270 bottom
U68  SN74LV08  [TSSOP-14_4.4x5mm_P0.65mm]  136.11 30.24 180 bottom
U69  SN74LVC2G32  [SSOP-8_2.95x2.8mm_P0.65mm]  143.85 22.16 180 bottom
U70  TPS2201  [TSSOP-30_6.1x9.7mm_P0.65mm]  102.47 26.9 180 bottom
U71  SN74LV32  [TSSOP-14_4.4x5mm_P0.65mm]  116.34 29.18 0 bottom
U72  HD151015  [SSOP-24_5.3x8.2mm_P0.65mm]  106.87 16.21 180 bottom
U73  SN74LVT244B  [TSSOP-20_4.4x6.5mm_P0.65mm]  97.37 17.36 180 bottom
U74  RB5C396  [BGA-256]  79.56 26.27 270 bottom
U75  D17137AGT  [SSOP-28]  52.98 9.32 180 bottom
U76  486SX-33  [BGA-256]  53.23 29.24 180 bottom
X1  245759  [XTAL-2]  10.71 77.27 0 top
X2  89G6821  [XTAL-1]  65.26 76.7 0 top
X3  32768  [XTAL-3]  70.42 57.74 180 bottom
X4  59G3482  [XTAL-6]  3.78 54.16 90 bottom
X5  4.00  [XTAL-5]  131.74 18.02 180 bottom
X6  8.00  [XTAL-4]  40.98 7.82 180 bottom

## Library data of the parts
C6 C8 C9 C14 C16 C19 C27 C28 C35 C44 C50 C52-C63 C66 C68-C71 C74 C76 C78-C80 C82 C94 C96-C100 C102-C107 C111 C112 C114-C117 C119 C121-C123 C125 C127 C128 C130-C134 C137-C146 C148 C149 C151-C153 C155 C157-C159 C161 C164 C165 C203-C205 C208 C209 C211-C217 C219 C220 C223 C231 C236 C241 C244 C247 C248 C250-C253 C255 C262 C263 C266 C267 C269 C271 C274-C277 C280 = -: ki_fp_filters: C_*
